# Altium PCB Headstage_V003.PcbDoc (part 1 of 2)
Units mil, origin at the board's own origin, x right, y up, seen from the top; angles counter-clockwise.
Board outline 4597.47 x 4600 mil, 4 copper layers (Top Copper Layer, Internal Copper Layer 1, Internal Copper Layer 2, Bottom Copper Layer), stack 62.205 mil thick; 16 components, 100 nets, 234 pads, 22 vias.
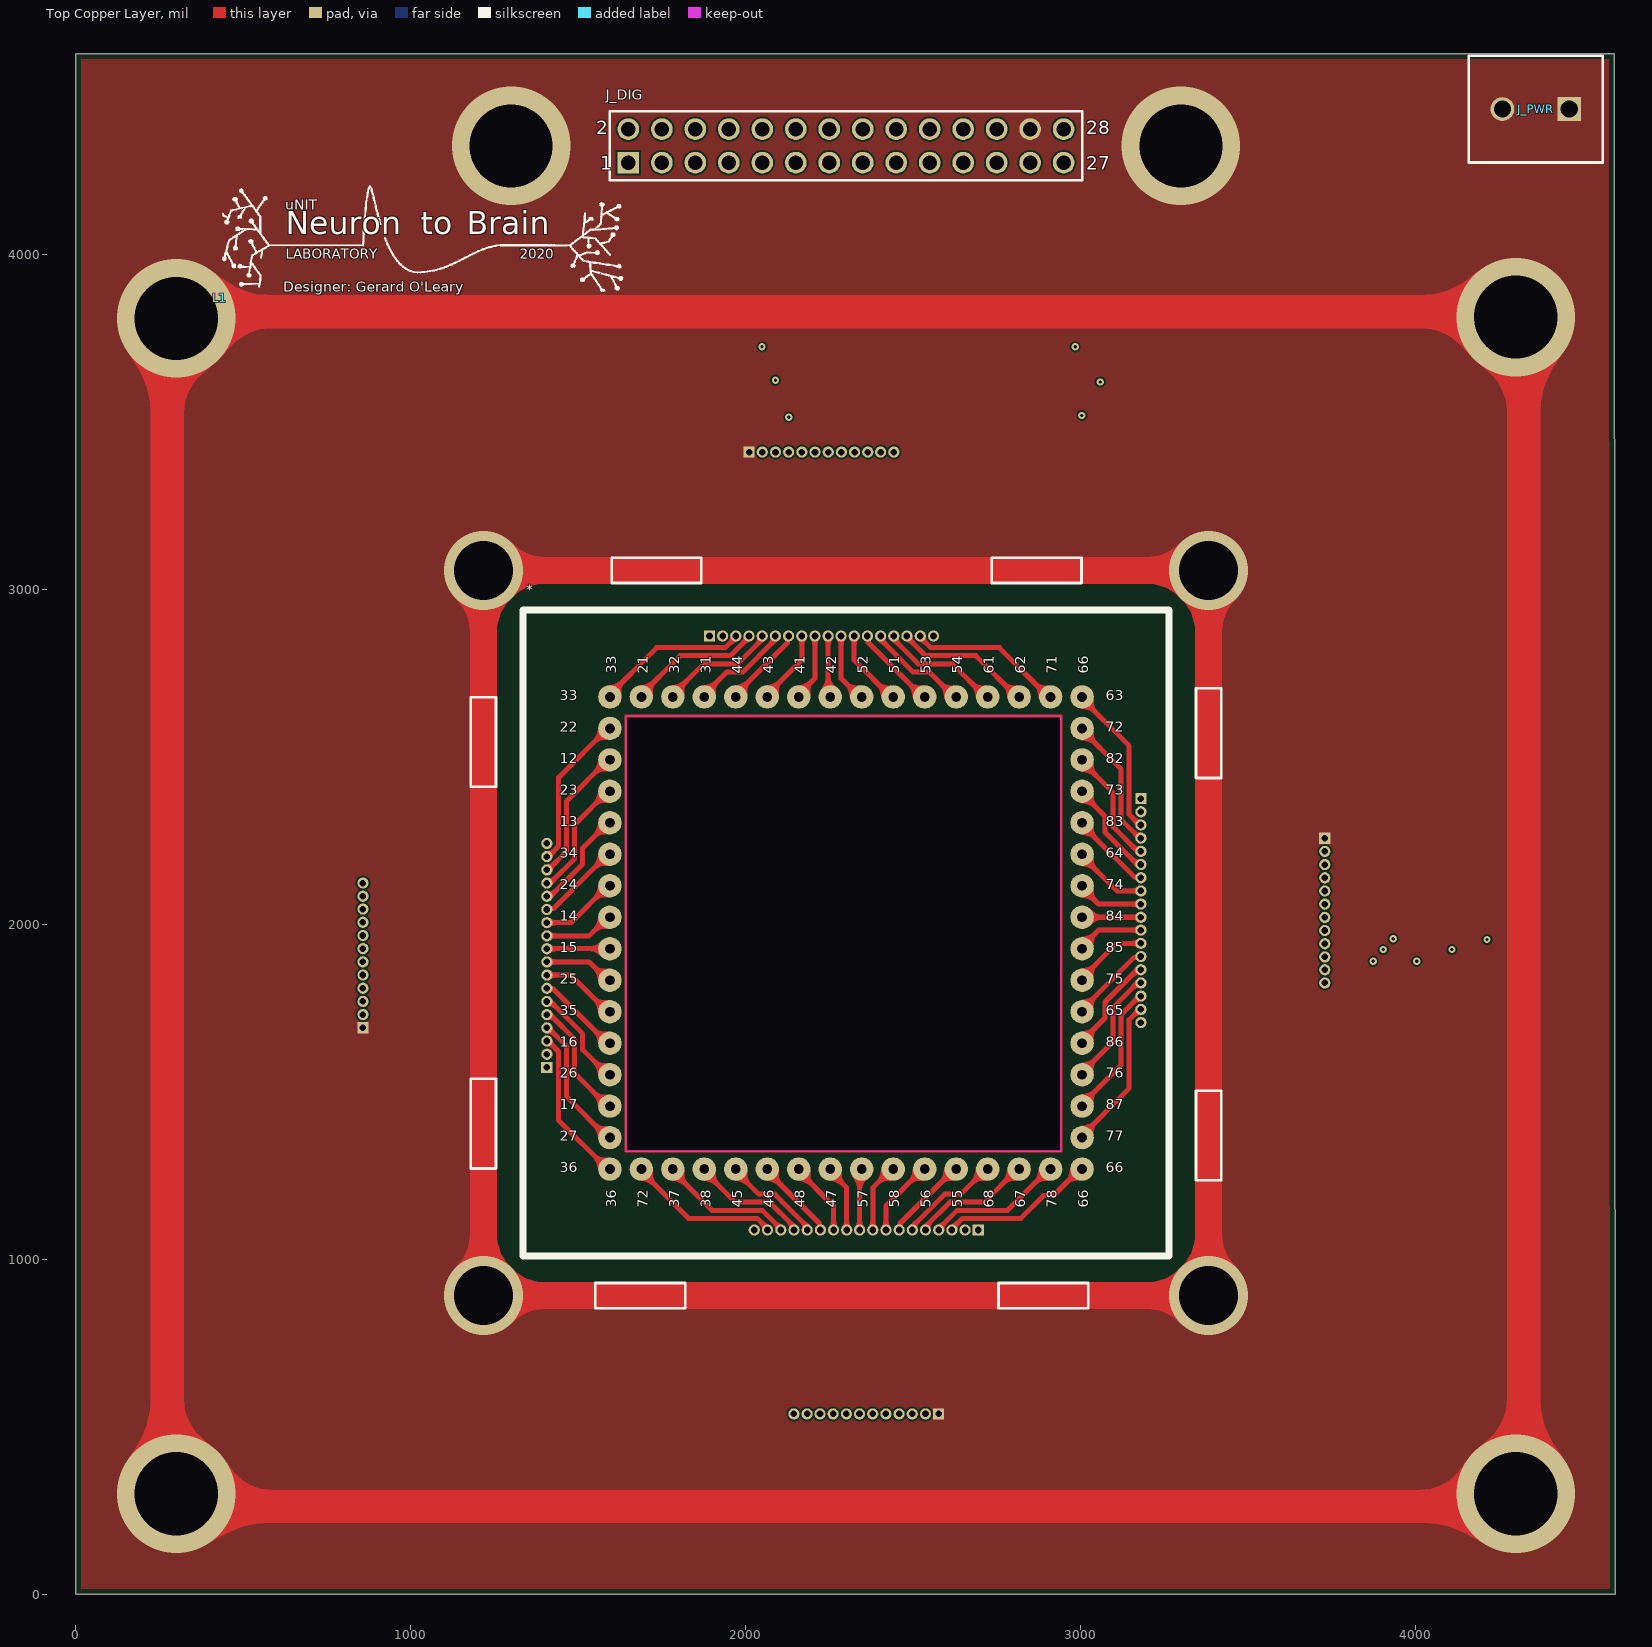
[diagram p0: Top Copper Layer view]
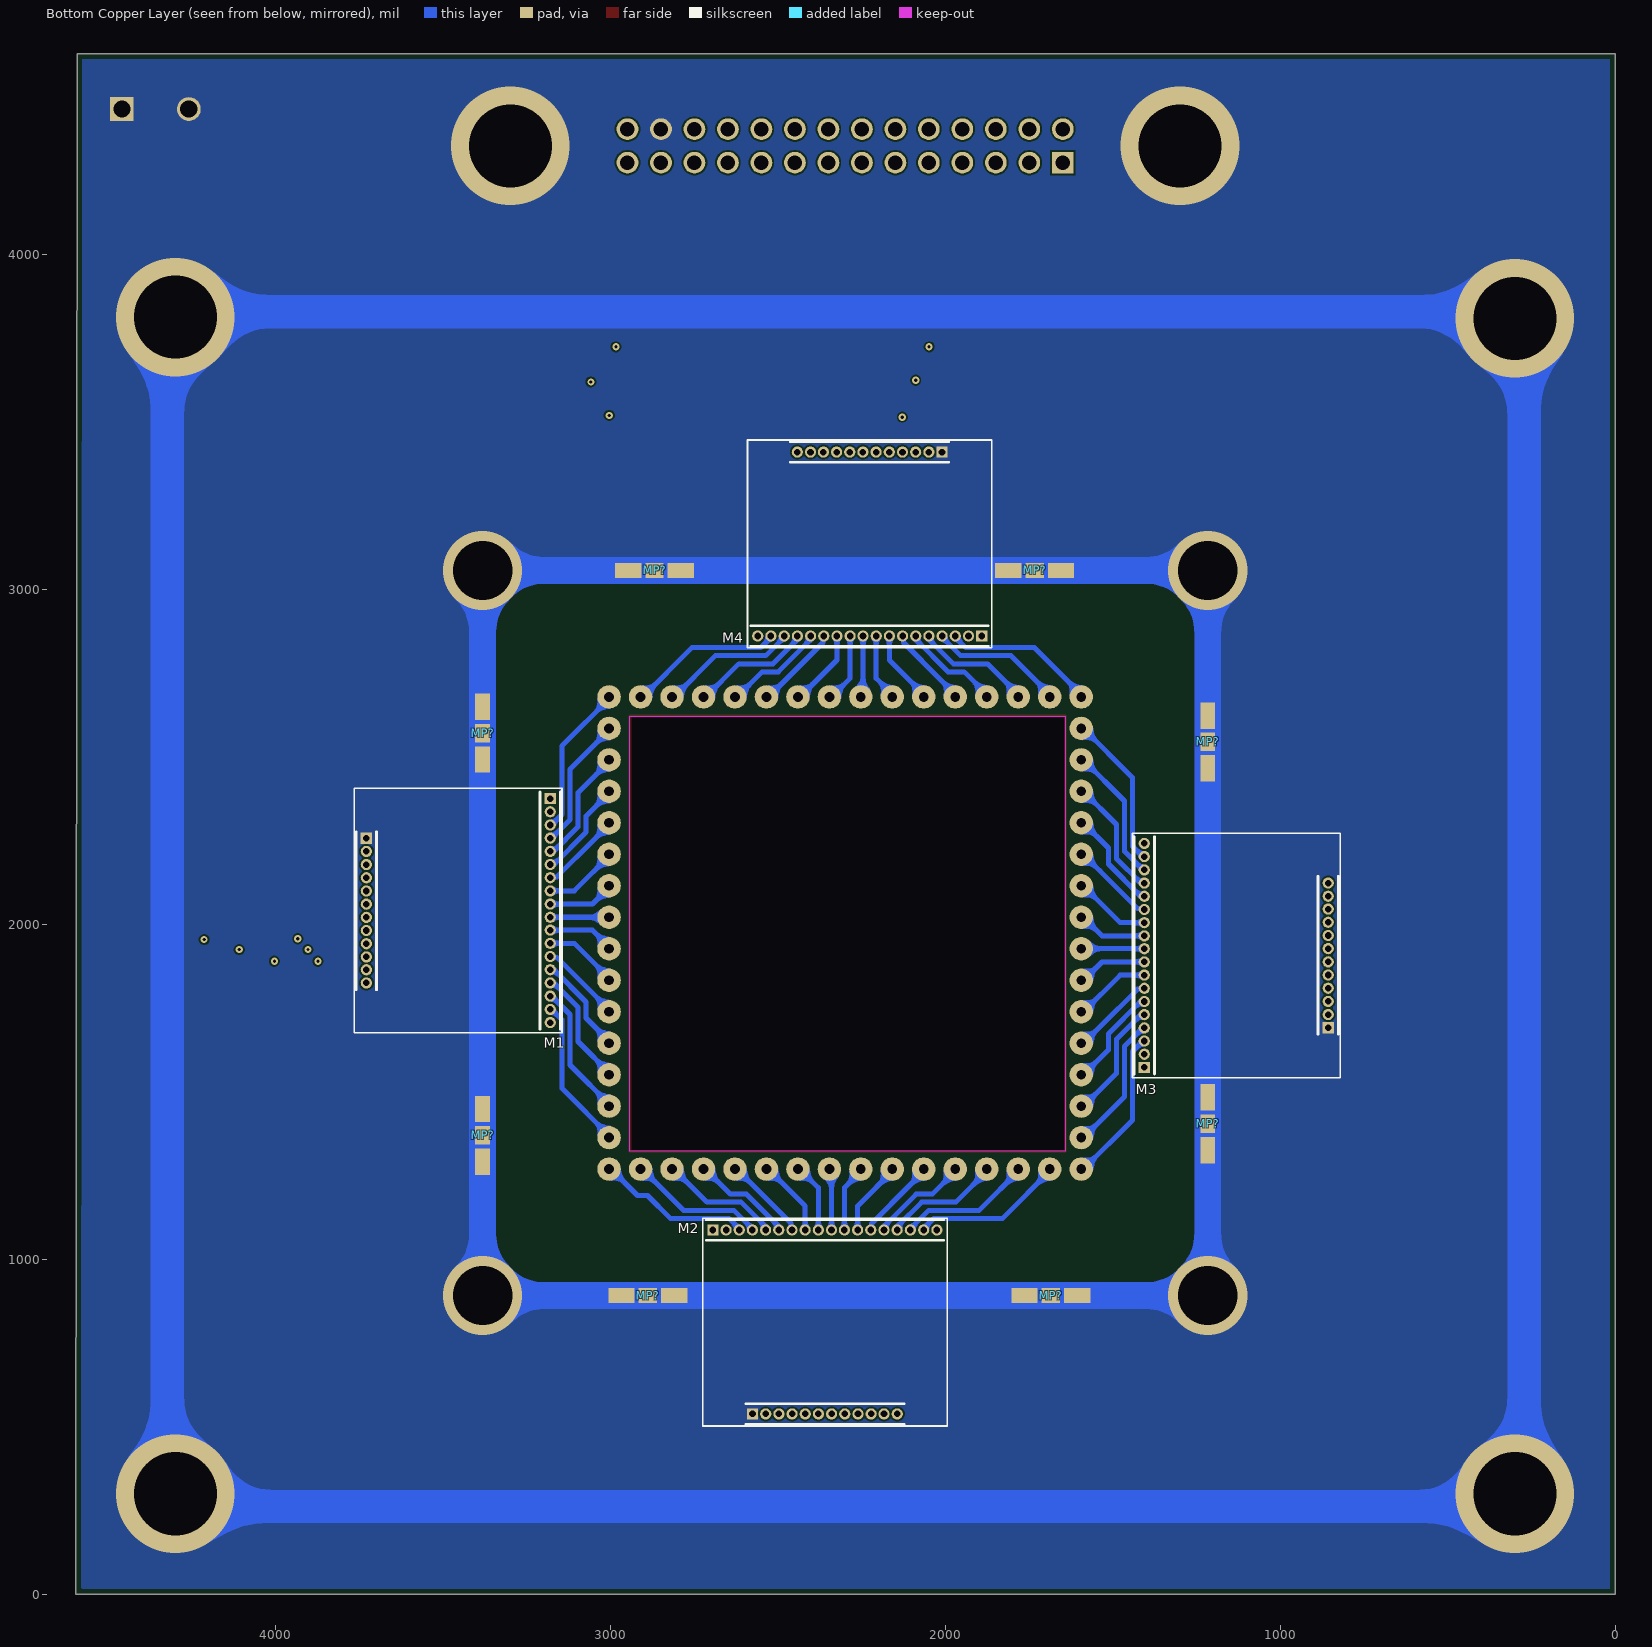
[diagram p1: Bottom Copper Layer view, seen from below]
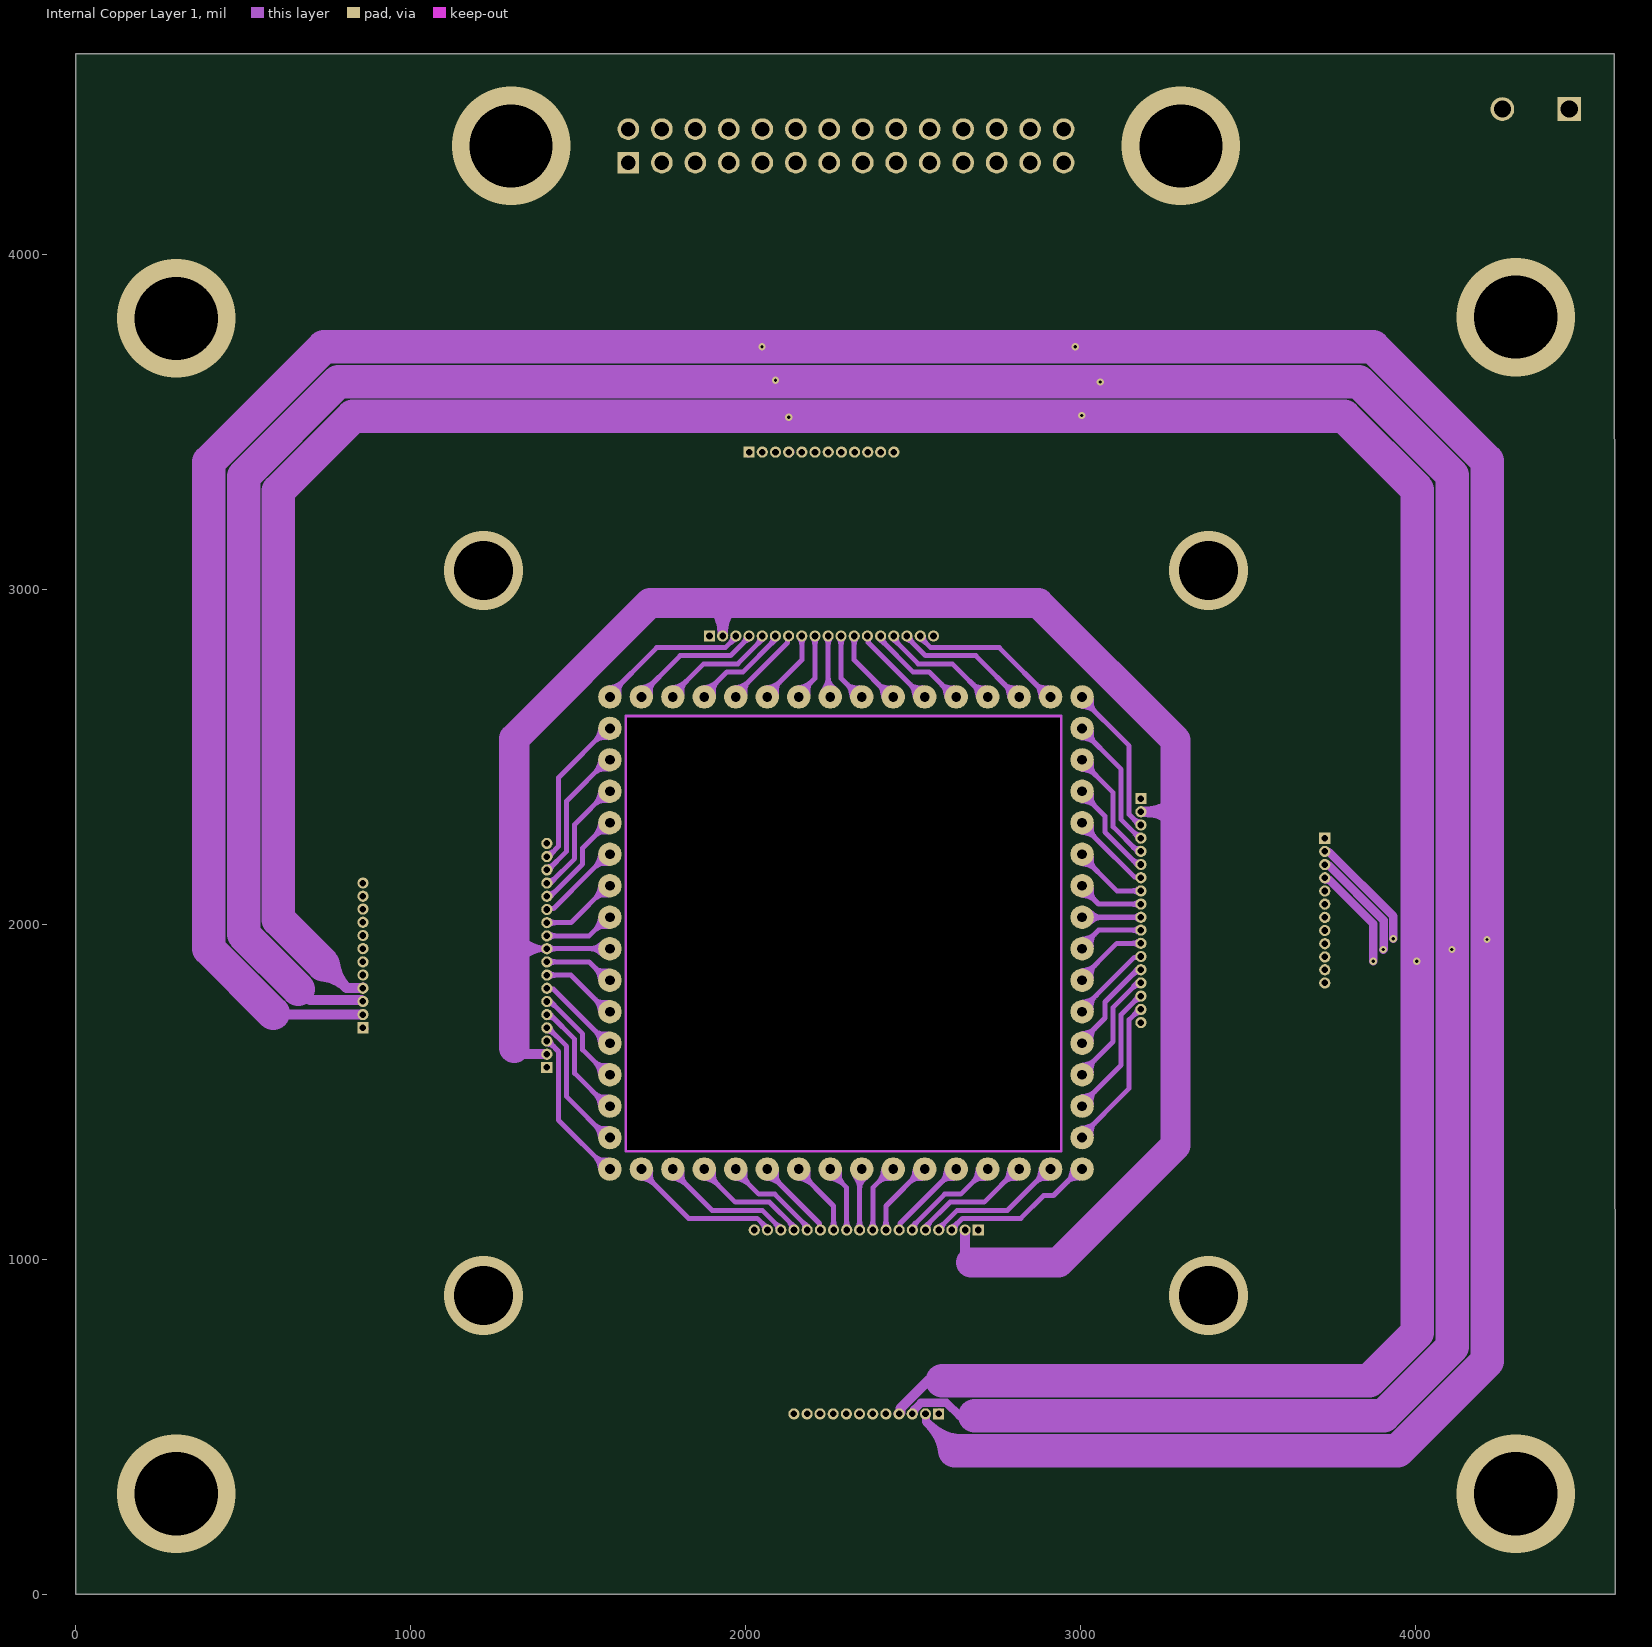
[diagram p2: Internal Copper Layer 1]
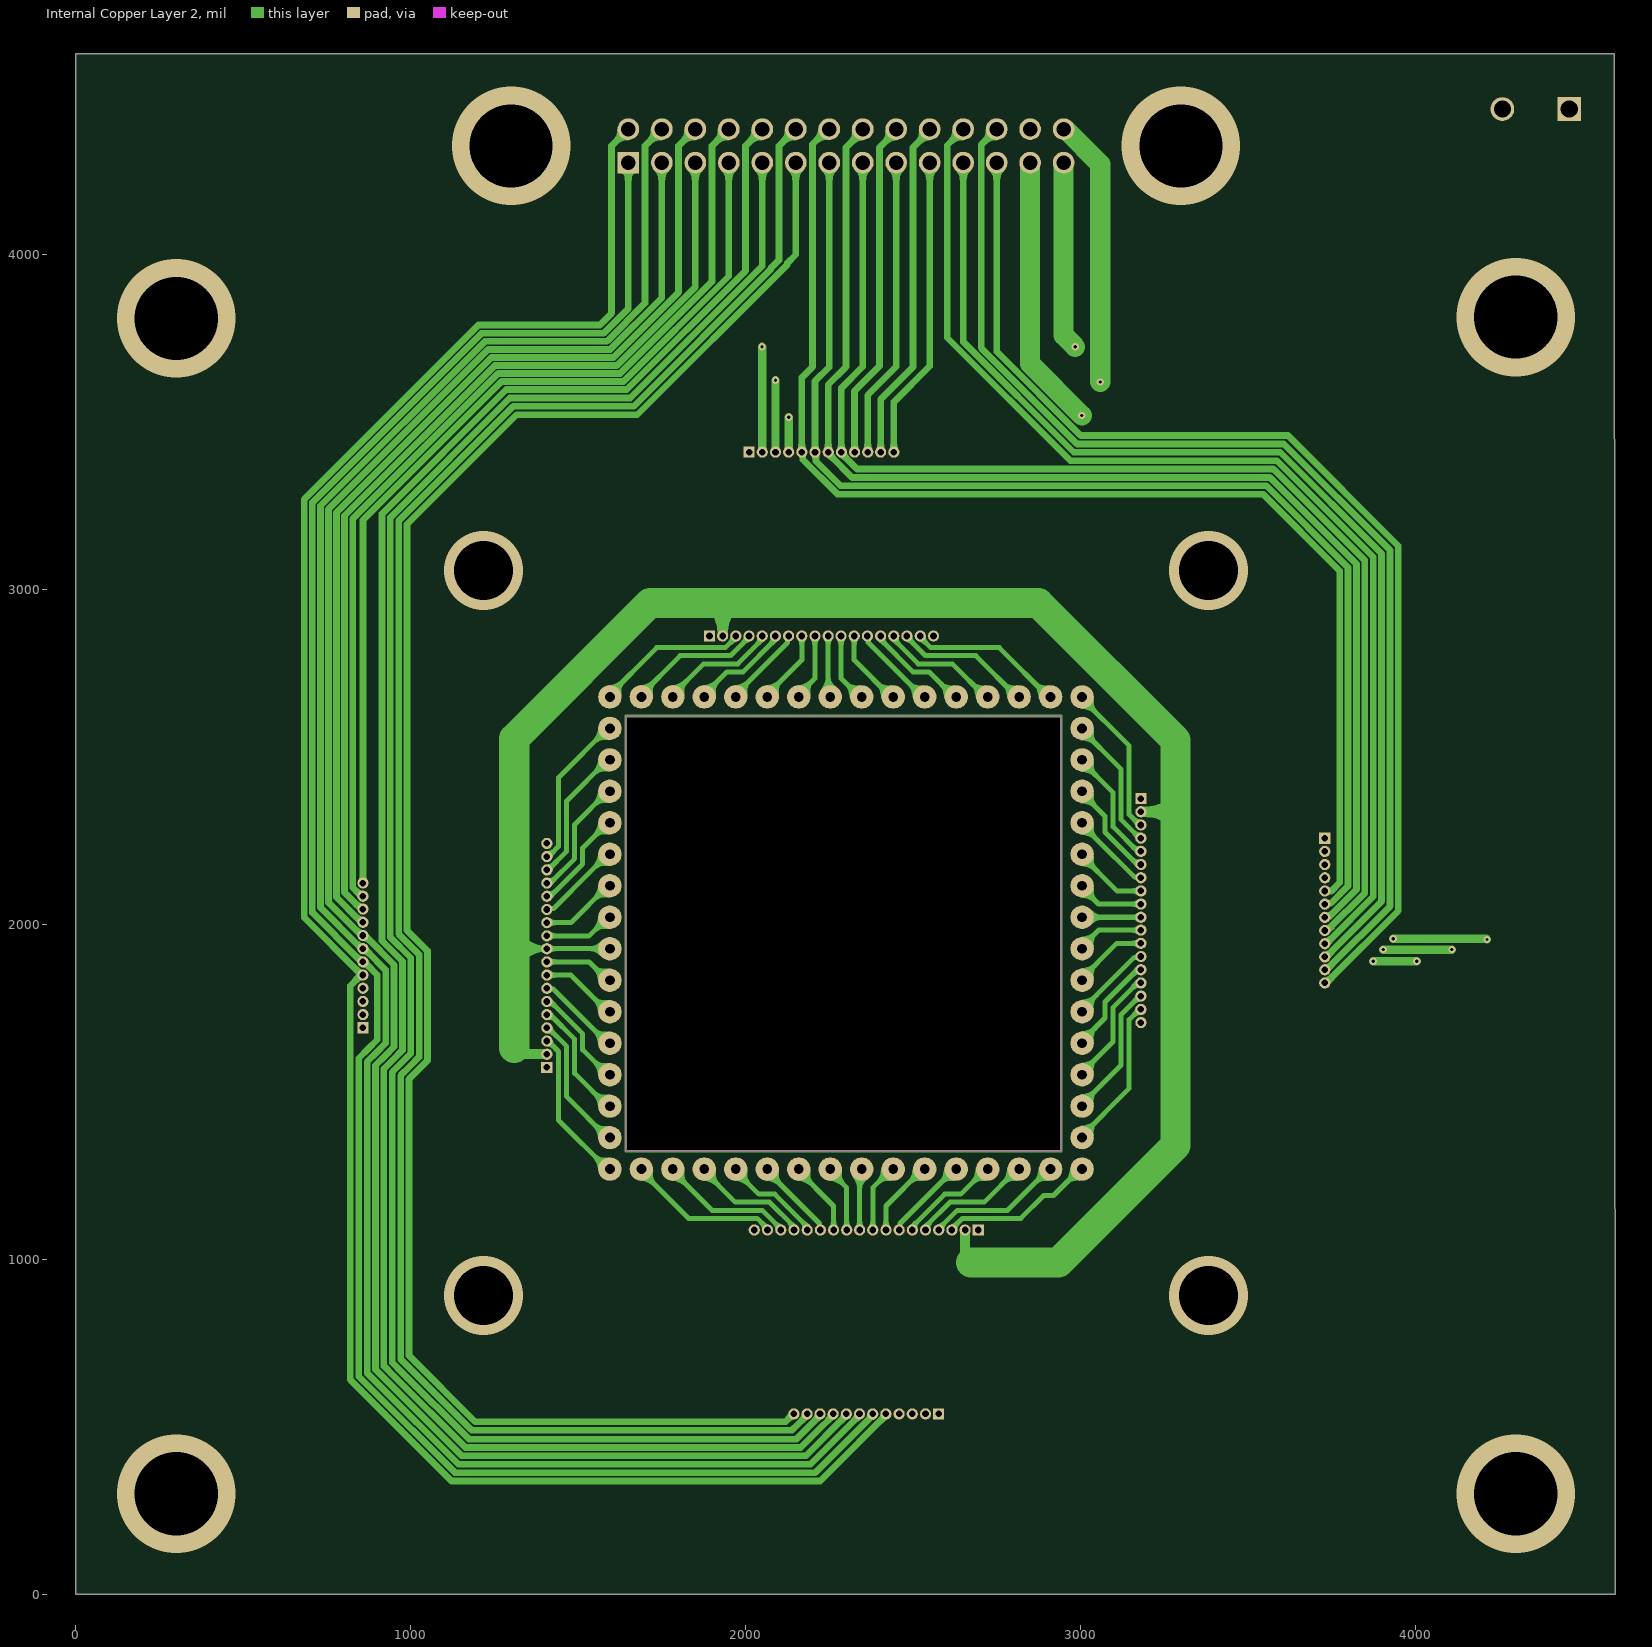
[diagram p3: Internal Copper Layer 2]

## Layer stack, top to bottom
Top Solder: solder mask 0.3937, Solder Resist, Dk 3.5
Top Copper Layer: signal copper 1.378
Dielectric 1: prepreg 8.6614, FR-4, Dk 4.2
Internal Copper Layer 1: signal copper 1.378
Dielectric 2: core 39.3701, FR-4, Dk 4.2
Internal Copper Layer 2: signal copper 1.378
Dielectric 3: prepreg 8.6614, FR-4, Dk 4.2
Bottom Copper Layer: signal copper 1.378
Bottom Solder: solder mask 0.3937, Solder Resist, Dk 3.5

## Board outline
0,0 4597.47,0 4593.64,4600 0,4600
cut-out: 2942.66,2622.41 1642.66,2622.41 1642.66,1322.41 2942.66,1322.41
cut-out: 2942.66,2622.41 1642.66,2622.41 1642.66,1322.41 2942.66,1322.41
cut-out: 2942.66,2622.41 1642.66,2622.41 1642.66,1322.41 2942.66,1322.41
cut-out: 2942.66,2622.41 1642.66,2622.41 1642.66,1322.41 2942.66,1322.41
cut-out: 2942.66,2622.41 1642.66,2622.41 1642.66,1322.41 2942.66,1322.41

## Design rules (kind name [scope] priority, off if disabled: settings)
BoardOutlineClearance [All] p1: gap=15.75 ignorepadtopadclearanceinfootprint=FALSE
Clearance [All] p1: gap=5 ignorepadtopadclearanceinfootprint=TRUE
ComponentClearance [All] p1: gap=5.91 collisioncheckmode=3 verticalgap=5.91 showdistances=FALSE
DiffPairsRouting [All] p1: maxlimit=10 minlimit=10 mostfreqgap=10 toplayer_minwidth=15 toplayer_maxwidth=15 toplayer_prefwidth=15 midlayer1_minwidth=15 midlayer1_maxwidth=15 midlayer1_prefwidth=15 midlayer2_minwidth=15 midlayer2_maxwidth=15 midlayer2_prefwidth=15 bottomlayer_minwidth=15 bottomlayer_maxwidth=15 bottomlayer_prefwidth=15 maxuncoupledlength=500
HoleSize [All] p1: absolutevalues=TRUE maxlimit=15.75 minlimit=9.84 maxpercent=80.000 minpercent=20.000
HoleToHoleClearance [All] p1: gap=17.72 allowstackedmicrovias=TRUE
MinimumAnnularRing [All] p1: minimumring=5.91
MinimumSolderMaskSliver [All] p1: minsoldermaskwidth=5.91
PlaneClearance [All] p1: clearance=5.91
PlaneConnect [All] p1: planeconnectstyle=Relief reliefexpansion=9.84 reliefentries=4 reliefconductorwidth=5.91 reliefairgap=5.91
PolygonConnect [All] p1: connectstyle=Direct reliefconductorwidth=5.91 reliefentries=4 polygonreliefangle="90 Angle" airgapwidth=5.91
RoomDefinition Headstage_V002 [InComponentClass('Headstage_V002')] p1 off: confinementstyle=ConfineIn formatcopy=TRUE lockcomponents=FALSE outline 0,0 2000,0 2000,1000 0,1000
RoutingVias [All] p1: holewidth=9.84 width=21.65 viastyle="Through Hole" minholewidth=9.84 minwidth=21.65 maxholewidth=15.75 maxwidth=31.5
SilkToSilkClearance [All] p1: silktosilkclearance=7.87
SilkToSolderMaskClearance [IsPad] p1: minsilkscreentomaskgap=7.87 clearancetoexposedcopper=TRUE
SolderMaskExpansion [All] p1: expansion=5.91 istentingtop=FALSE
Width [All] p1: maxlimit=1968.5 minlimit=5.91 preferedwidth=5.91
21 further rules are at their usual default settings.

## Classes and differential pairs
component class Headstage_V002: * J_DIG J_PWR L1 M1 M2 M3 M4 MP?
differential pair SCLK1h: +SCLK1h_P -SCLK1h_N
differential pair nCS1h: +nCS1h_P -nCS1h_N
differential pair MOSI1h: +MOSI1h_P -MOSI1h_N
differential pair MISO1h: +MISO1h_P -MISO1h_N

## Components (designator, comment, footprint, x,y, rotation, side; value= is the part's Value field where it differs from the comment)
* "POGO_PINS" POGO_PINS 2300,1974.5 r0 top
J_DIG "61302821121" 61302821121 2300,4325 r0 top
J_PWR "1729128" PHOE-1729128-2_V 4360,4435 r180 top
L1 "Logo" N2BL_Logo 430,3870 r0 top
M1 "Intan_RHS2116_Module" INTAN_RHS2116_MODULE#1 3455.25,2041.41 r270 bottom
M2 "Intan_RHS2116_Module" INTAN_RHS2116_MODULE#2 2360.57,812.91 r180 bottom
M3 "Intan_RHS2116_Module" INTAN_RHS2116_MODULE#2 1132.08,1907.59 r90 bottom
M4 "Intan_RHS2116_Module" INTAN_RHS2116_MODULE#2 2226.75,3136.09 r0 bottom
MP? "S0971-46R" FP-S0971-46R-MFG 1217.32,2545 r90 top
MP? "S0971-46R" FP-S0971-46R-MFG 2869.33,3057.17 r180 top
MP? "S0971-46R" FP-S0971-46R-MFG 1734.33,3057.17 r180 top
MP? "S0971-46R" FP-S0971-46R-MFG 3382.68,2571.26 r90 top
MP? "S0971-46R" FP-S0971-46R-MFG 2889.33,891.81 r180 top
MP? "S0971-46R" FP-S0971-46R-MFG 1217.32,1405 r90 top
MP? "S0971-46R" FP-S0971-46R-MFG 1685.59,891.81 r180 top
MP? "S0971-46R" FP-S0971-46R-MFG 3382.68,1370 r90 top

## Footprints (in the part's own frame and the unit in brackets; to place one, negate y for a bottom-side part, rotate by r counter-clockwise, add the part's x,y. Pads: shape width x height; smd on the part's side, far side on the other; paste and mask are expansions set on the pad)
61302821121 [mm] "Pin Header, pitch 2.54 mm, THT, Vertical, dual row, 28p"
  rect 1.65x1.65 hole 1.1: 1(-16.51,-1.27)
  round 1.65 hole 1.1: 2(-16.51,1.27) 3(-13.97,-1.27) 4(-13.97,1.27) 5(-11.43,-1.27) 6(-11.43,1.27) 7(-8.89,-1.27) 8(-8.89,1.27) 9(-6.35,-1.27) 10(-6.35,1.27) 11(-3.81,-1.27) 12(-3.81,1.27) 13(-1.27,-1.27) 14(-1.27,1.27) 15(1.27,-1.27) 16(1.27,1.27) 17(3.81,-1.27) 18(3.81,1.27) 19(6.35,-1.27) 20(6.35,1.27) 21(8.89,-1.27) 22(8.89,1.27) 23(11.43,-1.27) 24(11.43,1.27) 25(13.97,-1.27) 26(13.97,1.27) 27(16.51,-1.27) 28(16.51,1.27)
  silkscreen extent -17.93,-2.62 17.93,2.62, body extent -17.78,-2.54 17.78,2.54, height 8.59
FP-S0971-46R-MFG [mm]
  rect 2x1.125 smd far side paste+0: 1(-2,0) 1(2,0)
  rect 1.4x1.125 smd far side paste+0: 1(0,0)
  silkscreen extent -3.4,-0.95 3.4,0.95, body extent -2.54,-0.5 2.54,0.5, height 2.18
INTAN_RHS2116_MODULE#1 [mm]
  rect 0.85x0.85 hole 0.5: 1(-5.488,-6.974) 13(-8.494,6.975)
  round 0.85 hole 0.5: 2(-4.488,-6.974) 3(-3.488,-6.974) 4(-2.488,-6.974) 5(-1.488,-6.974) 6(-0.488,-6.974) 7(0.512,-6.974) 8(1.512,-6.974) 9(2.512,-6.974) 10(3.512,-6.974) 11(4.489,-6.974) 12(5.489,-6.974) 14(-7.494,6.975) 15(-6.494,6.975) 16(-5.494,6.975) 17(-4.494,6.975) 18(-3.494,6.975) 19(-2.494,6.975) 20(-1.494,6.975) 21(-0.494,6.975) 22(0.506,6.975) 23(1.483,6.975) 24(2.483,6.975) 25(3.483,6.975) 26(4.483,6.975) 27(5.483,6.975) 28(6.483,6.975) 29(7.494,6.975) 30(8.494,6.975)
  Top Copper Layer lines w0.254: 5.483,6.975 5.463,6.955 ; 4.483,6.975 4.483,6.884 ; 1.483,6.975 1.483,6.813 ; -0.494,6.975 -0.38,6.86
  Top Copper Layer lines w0.381: 1.467,-6.885 1.534,-6.952 ; 0.467,-6.885 0.534,-6.952 ; -0.443,-6.892 -0.443,-6.974 ; -1.443,-6.892 -1.443,-6.974 ; 3.526,-6.944 3.534,-6.952 3.557,-6.974 ; 1.557,-6.974 1.534,-6.952 ; 0.557,-6.974 0.534,-6.952 ; 1.534,-6.952 1.534,-6.952 ; 0.534,-6.952 0.534,-6.952
  Internal Copper Layer 1 lines w0.635: -5.551,-6.867 -5.466,-6.952 -5.443,-6.974 ; -3.443,-6.916 -3.443,-6.974 ; -4.484,-6.933 -4.466,-6.952 -4.443,-6.974
  Internal Copper Layer 1 lines w0.762: -2.46,-6.958 -2.443,-6.974
  silkscreen extent -9.27,-7.88 9.27,7.86, body extent -9.27,-7.88 9.27,7.86, height 3.2
INTAN_RHS2116_MODULE#2 [mm]
  rect 0.85x0.85 hole 0.5: 1(-5.488,-6.974) 13(-8.494,6.975)
  round 0.85 hole 0.5: 2(-4.488,-6.974) 3(-3.488,-6.974) 4(-2.488,-6.974) 5(-1.488,-6.974) 6(-0.488,-6.974) 7(0.512,-6.974) 8(1.512,-6.974) 9(2.512,-6.974) 10(3.512,-6.974) 11(4.489,-6.974) 12(5.489,-6.974) 14(-7.494,6.975) 15(-6.494,6.975) 16(-5.494,6.975) 17(-4.494,6.975) 18(-3.494,6.975) 19(-2.494,6.975) 20(-1.494,6.975) 21(-0.494,6.975) 22(0.506,6.975) 23(1.483,6.975) 24(2.483,6.975) 25(3.483,6.975) 26(4.483,6.975) 27(5.483,6.975) 28(6.483,6.975) 29(7.494,6.975) 30(8.494,6.975)
  Top Copper Layer lines w0.254: 5.483,6.975 5.463,6.955 ; 4.483,6.884 4.483,6.975 ; 1.483,6.813 1.483,6.975 ; -0.38,6.86 -0.494,6.975
  Top Copper Layer lines w0.381: 3.557,-6.974 3.534,-6.952 ; 3.526,-6.944 3.534,-6.952 ; 1.557,-6.974 1.534,-6.952 ; 1.467,-6.885 1.534,-6.952 ; 0.557,-6.974 0.534,-6.952 ; 0.467,-6.885 0.534,-6.952 ; -0.443,-6.974 -0.443,-6.892 ; -1.443,-6.974 -1.443,-6.892 ; 3.534,-6.952 3.534,-6.952 ; 1.534,-6.952 1.534,-6.952 ; 0.534,-6.952 0.534,-6.952
  Internal Copper Layer 1 lines w0.635: -3.443,-6.974 -3.443,-6.916 ; -4.443,-6.974 -4.466,-6.952 -4.484,-6.933 ; -5.443,-6.974 -5.466,-6.952 -5.551,-6.867
  Internal Copper Layer 1 lines w0.762: -2.443,-6.974 -2.46,-6.958
  silkscreen extent -9.27,-7.88 9.27,7.86, body extent -9.27,-7.88 9.27,7.86, height 3.2
N2BL_Logo [mil] "Example template footprint"
  silkscreen extent 8,19 1205,335
PHOE-1729128-2_V [mm] "Receptacle, 2-Leads, Body 8.1x10.16mm, Pitch 5.08mm"
  rect 1.8x1.8 hole 1.3: 1(-2.54,0)
  round 1.8 hole 1.3: 2(2.54,0)
  silkscreen extent -5.08,-4.05 5.08,4.05, body extent -5.65,-4.05 5.08,4.05, height 10.01
POGO_PINS [mil]
  round 70 hole 29: 12(-705,517) 13(-705,329) 14(-705,47) 15(-705,-47) 16(-705,-329) 17(-705,-517) 21(-611,705) 22(-705,611) 23(-705,423) 24(-705,141) 25(-705,-141) 26(-705,-423) 27(-705,-611) 28(-611,-705) 31(-423,705) 32(-517,705) 33(-705,705) 34(-705,235) 35(-705,-235) 36(-705,-705) 37(-517,-705) 38(-423,-705) 41(-141,705) 42(-47,705) 43(-235,705) 44(-329,705) 45(-329,-705) 46(-235,-705) 47(-47,-705) 48(-141,-705) 51(141,705) 52(47,705) 53(235,705) 54(329,705) 55(329,-705) 56(235,-705) 57(47,-705) 58(141,-705) 61(423,705) 62(517,705) 63(705,705) 64(705,235) 65(705,-235) 66(705,-705) 67(517,-705) 68(423,-705) 71(611,705) 72(705,611) 73(705,423) 74(705,141) 75(705,-141) 76(705,-423) 77(705,-611) 78(611,-705) 82(705,517) 83(705,329) 84(705,47) 85(705,-47) 86(705,-329) 87(705,-517)
  silkscreen extent -965,-965 965,965, body extent -741,-741 741,741, height 87

## Part data
J_DIG: library part CMP-1502-01115-1, "THT Vertical Pin Header WR-PHD, Pitch 2.54 mm, Dual Row, 28 pins", Contact Resistance=20mOhm, Manufacturer="Wurth Elektronik", Operating Temperature=-40to105degC, Rated Current=3A, Withstanding Voltage=500VAC, Working Voltage=250VAC, Datasheet URL=https://katalog.we-online.de/em/datasheet/6130xx21121.pdf, Gender=Male, Manufacturer URL=http://www.we-online.de, Mounting Technology=THT, Orientation=Vertical, Package Reference=61302821121, Packaging=Bag, Part Number=61302821121, Pin Number=28, Pitch=2.54mm, Publisher=WurthElektronik, Row Number=Dual
J_PWR: library part CMP-2000-05815-1, "PCB Terminal Block, 13.5 A, 400 V, 2-Pin THD, RoHS, Bulk", Current Rating=13500mA, Manufacturer="Phoenix Contact", Package Description="2-Pin Through Hole Device, Body 8.1 x 10.16 mm, Pitch 5.08 mm", Package Reference=1729128-2, Package Version=03/2015, Voltage Rating=400V, Datasheet URL=https://datasheet.ciiva.com/16046/1729128-16046181.pdf, Datasheet Version=12/2013, Manufacturer URL=http://www.phoenixcontact.com/, Mounting Technology=ThroughHole, No. of Positions=2, No. of Rows=1, Orientation=Horizontal, Package URL=https://www.phoenixcontact.com/online/portal/pi/pxc/product_detail_page/!ut/p/b1/3VdJjqNKFDxLH8AFycySyWY2ozFsEPOMMQaDOX1XedGL_1Vdm5YXJleknhSKeBkvI6EA8ncAo3AYoDhBQGco6KN7VURTdemj9us_IEKEZo_YHiPAEWEFmDGOHMORkqKYCORBZxgL7ZoaZYcbFFUZ3fqxSY6GOuxydWUuHqz1ynmMFygu583Bob0Ewr6Sd_l-5m-kAueHiB0jpRwZwe58wwtkpxtMYd_LmGcDRU02dRNEyWt6Y2ti5pSyJ_reIkzIulrqApdnbT11V5jnCKbYNCvhEM1MCpPByat_X379-iThf08CI5GfOPqfBeS3BRoBOdD55AKVv0iLwCMq-2BrzXWSGRH7pUGD9uwXQjiph3xL0DKQwdGa0JImiIOmBNOestqgwTHSSs2oOep-78apyXQBvNi8ZLaFjvjWvcaUEBu0MC6Wbe-d6mB0FAebo2lUWinqYaZs5DAYzV0RP9yitUjnGJ0iI9xhZkT42OCQNUJJhkgWINNQLP2JFP6OpMg3JCVg70jqHT0lvKOnhHf0lPuOnnLf0VPuWx6_dxwUIvwk5WMkT0kLL1mh61l2yZVSzG3pYV_bqo-mj6uMKwKwdnnW8Jh5RTOJzMOA5c-eJDaZQw4mTMPH02PvS_ZAqNVjVTo2WyYLkwH_KU1mmmG5kjRhDqPXLwwVHvVOjCM60-fpXvTDfMGW1PVFVS1r4e4yVDk4ZdNbkUHvqPqQSeian4UD39fNKmachqdJ1NJbyk8rXT9mXTvPk3oE5meulKGgiruPJek-4I9hTT6G8ZLOyRSm2RRVbThERQad5OS28hdt4YW4vG0stgYYzsWsK4_7y6DZMjJSCqri1kyiZR5vD7pwIrNR7QwPHTcLTI5qT7eRlpHrdGiupYlqQDJ7zy_CND8fWWBoLRXxk1RVcXiBQwbTD4Xi7KL-FuO94t9xaqweXzH, Packing=Bulk, PartNumber=1729128, Pitch=5.08mm, RoHS=TRUE
L1: library part "Neuron To Brain Lab Logo"
MP? MP? MP? MP? MP? MP? MP? MP?: library part CMP-15817-000004-1, "RFI SHIELD CLIP MINI TIN SMD", Manufacturer=Harwin, Temperature="-25°C to +150°C", Temperature Range High=+150°C, Temperature Range Low=-25°C, Automotive=No, Category=UNK, ComponentLink2Description=Datasheet, ComponentLink2URL=https://cdn.harwin.com/pdfs/S0971-46R.pdf, Conn Orientation=Vertical, Contact Material=Tin,Nickel, Device Class L1=Connectors, Device Class L2=unset, Device Class L3=unset, Digikey Description="RFI SHIELD CLIP MINI TIN SMD", Height=2.1mm, Is Female=yes, Lead Free=Yes, Manufacturer Part Number=S0971-46R, Mouser Description="EZ-Shield Clip, SMT, Mini, Stainless Steel, tin, Tape & Reeled", Number Of Contacts=1, Octopart=https://octopart.com/s0971-46r-harwin-30988305, Package=S0971-46R, RoHS=TRUE

## Via types
v1: diameter 21.65, hole 9.84, Top Copper Layer to Bottom Copper Layer, 12 vias
v2: diameter 354.33, hole 248.03, Top Copper Layer to Bottom Copper Layer, 6 vias
v3: diameter 236.22, hole 177.17, Top Copper Layer to Bottom Copper Layer, 4 vias
